# KiCad board Mainboard.kicad_pcb (continued)
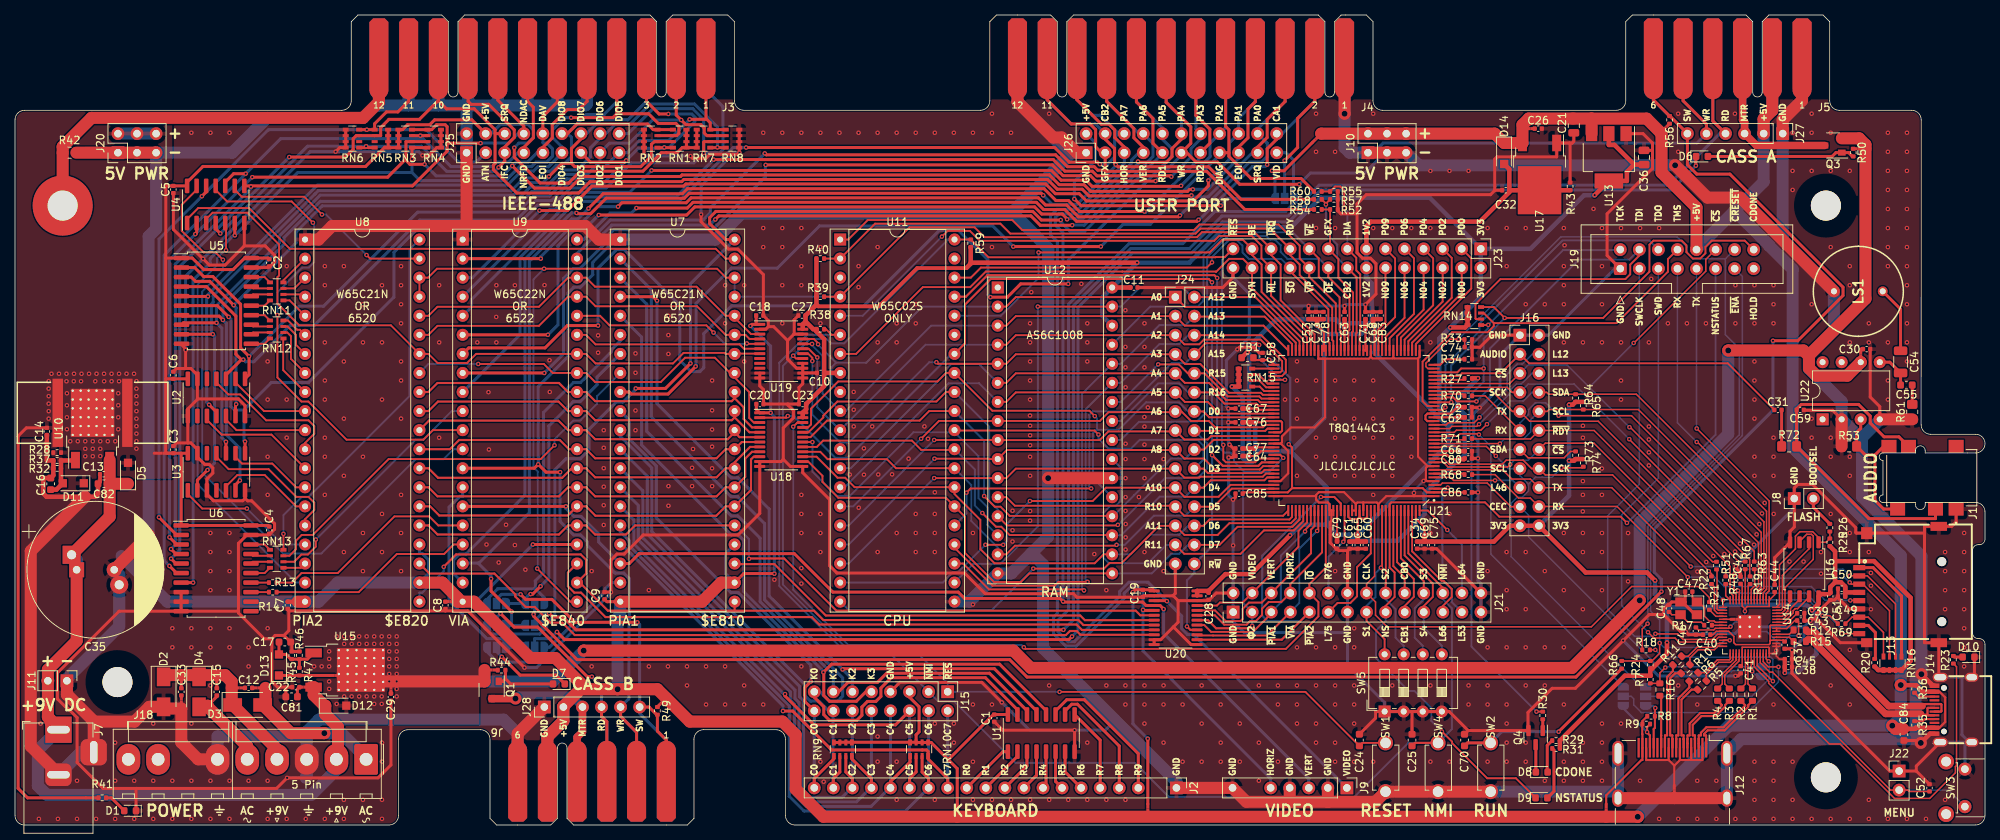
[diagram p0: board, top side]
## Library data of the parts
C1-C11 C13 C18-C20 C22 C23 C26-C28 C30 C34 C39-C46 C49 C51 C61 C63 C64 C66 C68 C71 C72 C74 C76-C80 C85 C86 = -: LCSC: C307331
C12 C15 C33 C59 = -: LCSC: C1532
C14 C29 C31 C32 C53 C60 C75 C83 = -: LCSC: C52923
C16 C17 C24 C25 C70 C81 C82 = -: LCSC: C96446
C21 C36 = -: LCSC: C45783
C35 = -: MOUSER: 232-35YXJ470M10X16; MPN: 35YXJ470M10X16
C37 C38 C52 = -: LCSC: C12530
C47 C48 = -: LCSC: C1570
C50 = -: LCSC: C15525
C54 = -: LCSC: C96123
C55 = -: LCSC: C1622
C58 = -: LCSC: C23733
C62 C65 C67 C69 C73 = -: LCSC: C15195
C84 = -: LCSC: C19666
D1 D6 D7 D9 = -: LCSC: C2286
D2-D4 = -: LCSC: C8678
D5 D11-D14 = -: LCSC: C64898
D8 D10 = -: LCSC: C72043
FB1 = -: LCSC: C1002
HS1 = -: DIGI-KEY: AE10775-ND; MPN: V-1100-SMD/B-L
J1 = -: Alt-LCSC: C319101; MOUSER: 490-SJ-43504-SMT-TR
J2 = -: MOUSER: 649-1012937893603BLF; MPN: 2-826646-0
J7 = -: MOUSER: 992-CON-SOCJ-2155; MPN: CON-SOCJ-2155
J8 J11 J22 J27 J28 = -: MOUSER: 649-1012937893602BLF
J9 = -: MOUSER: 649-1012937893603BLF
J10 J15 J16 J20 J24-J26 = -: MOUSER: 649-1012938195002BLF
J12 = -: LCSC: C138388
J13 = -: LCSC: C393941
J14 = -: LCSC: C165948
J18 = -: MOUSER: 571-6403849
J19 = -: MOUSER: 710-61201621621
J21 J23 = -: MOUSER: 649-1012938195002BLF; MPN: 929975-01-14
LS1 = -: MOUSER: 665-AT1220TT9R
Q1 Q3 = -: LCSC: C15127
Q4 = -: LCSC: C20526
R1-R6 R10 R11 R16 = -: LCSC: C22966
R7-R9 R64 R65 R73 R74 = -: LCSC: C25879
R12 R15 = -: LCSC: C25190
R13 R14 = -: LCSC: C25117
R17 R23 R26 R29 R31 R66 = -: LCSC: C11702
R18 R20 R25 R27 R49 R52 R55-R57 = -: LCSC: C25744
R19 R21 R22 R48 R51 R63 R67-R71 = -: LCSC: C25105
R24 = -: LCSC: C25756
R28 R47 = -: LCSC: C25102
R30 R33 = -: LCSC: C25741
R32 = -: LCSC: C25862
R34 = -: LCSC: C25752
R35 R36 = -: LCSC: C25796
R37 = -: LCSC: C51721
R38-R40 R59 = -: LCSC: C25900
R41 R44 R45 R50 = -: LCSC: C25867
R42 = -: LCSC: C17802
R43 = -: LCSC: C25079
R46 = -: LCSC: C25905
R53 = -: LCSC: C17673
R54 R58 R60 = -: LCSC: C25908
R61 = -: LCSC: C17415
R72 = -: LCSC: C17444
RN1 RN3 RN5 RN7 = -: LCSC: C1980
RN2 RN4 RN6 RN8-RN10 RN14-RN16 = -: LCSC: C29718
RN11-RN13 = -: LCSC: C25510
SW1 SW2 SW4 = -: Alt-LCSC: C457531; Amazon: https://smile.amazon.com/dp/B008DS188Y; MOUSER: 611-PTS636SK43LFS
SW3 = -: AliExpress: https://www.aliexpress.us/item/2251832705063661.html; MOUSER: 642-MJTP1117
SW5 = -: MOUSER: 490-DS04-254-1L-04BK
U1 = -: LCSC: C60829
U2-U4 = -: LCSC: C513513
U5 U6 = -: LCSC: C129580
U7 U8 = -: MOUSER: 955-W65C21N6TPG-14,571-1-2199299-5
U9 = -: MOUSER: 955-W65C22N6TPG-14,571-1-2199299-5
U10 U15 U17 = -: LCSC: C75510
U11 = -: MOUSER: 955-W65C02S6TPG-14,571-1-2199299-5
U12 = -: MOUSER: 913-AS6C1008-55PCN,649-DILB32P223TLF
U13 = -: LCSC: C6186
U14 = -: LCSC: C2040
U16 = -: LCSC: C97521
U18-U20 = -: LCSC: C7859
U21 = -: DIGI-KEY: 2134-T8Q144C3-ND; LCSC: C3278393
U22 = -: MOUSER: 926-LM386N-1/NOPB
Y1 = -: LCSC: C9002

## Footprints (pads in the part's own frame, mm; a bottom-side part is the same pattern mirrored in y, then rotated)
APEM_MJTP1117
  round 2.1 hole 1.3: (-1,-2.5) (6,-2.5)
  round 1.75 hole 1: 1(0,0) 2(5,0)
AT1220TT9R
  round 1.3 hole 0.8: 1(0,0) 2(0,-6.5)
BarrelJack_Horizontal
  rect 3.5x3.5 hole 1x3: 1(0,0)
  rrect 3x3.5 hole 1x3: 2(-6,0)
  rrect 3.5x3.5 hole 3x1: 3(-3,-4.7)
C_0402_1005Metric
  rrect 0.56x0.62 smd: 1(-0.48,0) 2(0.48,0)
C_0603_1608Metric
  rrect 0.9x0.95 smd: 1(-0.775,0) 2(0.775,0)
C_0805_2012Metric
  rrect 1x1.45 smd: 1(-0.95,0) 2(0.95,0)
C_1206_3216Metric
  rrect 1.15x1.8 smd: 1(-1.475,0) 2(1.475,0)
CBM_PET_CASS_EDGE_CON_12P
  custom 2.54x10.8 smd: 1,A(19.812,1.468) 2,B(15.85,1.468) 3,C(11.887,1.468) 4,D(7.925,1.468) 5,E(3.962,1.468) 6,F(0,1.468)
  custom 2.54x10.8 smd far side: 1,A(19.812,1.468) 2,B(15.85,1.468) 3,C(11.887,1.468) 4,D(7.925,1.468) 5,E(3.962,1.468) 6,F(0,1.468)
CBM_PET_IEEE_EDGE_CON_24P
  custom 2.54x10.8 smd: 1(43.586,1.468) 2(39.624,1.468) 3(35.662,1.468) 4(31.699,1.468) 5(27.737,1.468) 6(23.774,1.468) 7(19.812,1.468) 8(15.85,1.468) 9(11.887,1.468) 10(7.925,1.468) 11(3.962,1.468) 12(0,1.468)
  custom 2.54x10.8 smd far side: A(43.586,1.468) B(39.624,1.468) C(35.662,1.468) D(31.699,1.468) E(27.737,1.468) F(23.774,1.468) H(19.812,1.468) J(15.85,1.468) K(11.887,1.468) L(7.925,1.468) M(3.962,1.468) N(0,1.468)
CBM_PET_KEYBOARD_KEYED_20P
  rect 1.7x1.7 hole 1: 1(0,0)
  oval 1.7x1.7 hole 1: 3(0,-5.08) 4(0,-7.62) 5(0,-10.16) 6(0,-12.7) 7(0,-15.24) 8(0,-17.78) 9(0,-20.32) 10(0,-22.86) 11(0,-25.4) 12(0,-27.94) 13(0,-30.48) 14(0,-33.02) 15(0,-35.56) 16(0,-38.1) 17(0,-40.64) 18(0,-43.18) 19(0,-45.72) 20(0,-48.26)
CBM_PET_USER_EDGE_CON_24P
  custom 2.54x10.8 smd: 1(43.586,1.468) 2(39.624,1.468) 3(35.662,1.468) 4(31.699,1.468) 5(27.737,1.468) 6(23.774,1.468) 7(19.812,1.468) 8(15.85,1.468) 9(11.887,1.468) 10(7.925,1.468) 11(3.962,1.468) 12(0,1.468)
  custom 2.54x10.8 smd far side: A(43.586,1.468) B(39.624,1.468) C(35.662,1.468) D(31.699,1.468) E(27.737,1.468) F(23.774,1.468) H(19.812,1.468) J(15.85,1.468) K(11.887,1.468) L(7.925,1.468) M(3.962,1.468) N(0,1.468)
CP_Radial_D18.0mm_P5.00mm_P7.50mm
  rect 2.4x2.4 hole 1.2: 1(-0.672,2)
  rect 2x2 hole 1: 1(0,0)
  round 2 hole 1: 2(5,0)
  round 2.4 hole 1.2: 2(5.672,-2)
Crystal_SMD_3225-4Pin_3.2x2.5mm
  rect 1.4x1.2 smd: 1(-1.1,-0.85) 2(1.1,-0.85) 3(1.1,0.85) 4(-1.1,0.85)
CUI_SJ-43504-SMT-TR
  rect 1.75x2 smd: 1(0,0) 2(8.35,6.35) 3(0,2.75) 4(8.35,0) 5(8.35,8.95) 6(0,7.8)
D_SMA
  rect 2.5x1.8 smd: 1(-2,0) 2(2,0)
D_SOD-123F
  rect 1.1x1.1 smd: 1(-1.4,0) 2(1.4,0)
DIP-8_W7.62mm
  rect 1.6x1.6 hole 0.8: 1(0,0)
  oval 1.6x1.6 hole 0.8: 2(0,-2.54) 3(0,-5.08) 4(0,-7.62) 5(7.62,-7.62) 6(7.62,-5.08) 7(7.62,-2.54) 8(7.62,0)
DIP-32_W15.24mm_Socket
  rect 1.6x1.6 hole 0.8: 1(0,0)
  oval 1.6x1.6 hole 0.8: 2(0,-2.54) 3(0,-5.08) 4(0,-7.62) 5(0,-10.16) 6(0,-12.7) 7(0,-15.24) 8(0,-17.78) 9(0,-20.32) 10(0,-22.86) 11(0,-25.4) 12(0,-27.94) 13(0,-30.48) 14(0,-33.02) 15(0,-35.56) 16(0,-38.1) 17(15.24,-38.1) 18(15.24,-35.56) 19(15.24,-33.02) 20(15.24,-30.48) 21(15.24,-27.94) 22(15.24,-25.4) 23(15.24,-22.86) 24(15.24,-20.32) 25(15.24,-17.78) 26(15.24,-15.24) 27(15.24,-12.7) 28(15.24,-10.16) 29(15.24,-7.62) 30(15.24,-5.08) 31(15.24,-2.54) 32(15.24,0)
DIP-40_W15.24mm_Socket
  rect 1.6x1.6 hole 0.8: 1(0,0)
  oval 1.6x1.6 hole 0.8: 2(0,-2.54) 3(0,-5.08) 4(0,-7.62) 5(0,-10.16) 6(0,-12.7) 7(0,-15.24) 8(0,-17.78) 9(0,-20.32) 10(0,-22.86) 11(0,-25.4) 12(0,-27.94) 13(0,-30.48) 14(0,-33.02) 15(0,-35.56) 16(0,-38.1) 17(0,-40.64) 18(0,-43.18) 19(0,-45.72) 20(0,-48.26) 21(15.24,-48.26) 22(15.24,-45.72) 23(15.24,-43.18) 24(15.24,-40.64) 25(15.24,-38.1) 26(15.24,-35.56) 27(15.24,-33.02) 28(15.24,-30.48) 29(15.24,-27.94) 30(15.24,-25.4) 31(15.24,-22.86) 32(15.24,-20.32) 33(15.24,-17.78) 34(15.24,-15.24) 35(15.24,-12.7) 36(15.24,-10.16) 37(15.24,-7.62) 38(15.24,-5.08) 39(15.24,-2.54) 40(15.24,0)
HDMI_A_Molex_208658-1001_Horizontal
  rect 2.6x0.3 smd: 1(-3.285,4.5) 2(-3.285,4) 3(-3.285,3.5) 4(-3.285,3) 5(-3.285,2.5) 6(-3.285,2) 7(-3.285,1.5) 8(-3.285,1) 9(-3.285,0.5) 10(-3.285,0) 11(-3.285,-0.5) 12(-3.285,-1) 13(-3.285,-1.5) 14(-3.285,-2) 15(-3.285,-2.5) 16(-3.285,-3) 17(-3.285,-3.5) 18(-3.285,-4) 19(-3.285,-4.5)
  oval 3.3x1.5 hole 2.7x0.9: SH(-2.525,7.25) SH(-2.525,-7.25)
  oval 2.3x1.5 hole 1.7x0.9: SH(3.435,7.25) SH(3.435,-7.25)
IDC-Header_2x08_P2.54mm_Vertical
  rrect 1.7x1.7 hole 1: 1(0,0)
  round 1.7 hole 1: 2(2.54,0) 3(0,-2.54) 4(2.54,-2.54) 5(0,-5.08) 6(2.54,-5.08) 7(0,-7.62) 8(2.54,-7.62) 9(0,-10.16) 10(2.54,-10.16) 11(0,-12.7) 12(2.54,-12.7) 13(0,-15.24) 14(2.54,-15.24) 15(0,-17.78) 16(2.54,-17.78)
L_0603_1608Metric
  rrect 0.875x0.95 smd: 1(-0.787,0) 2(0.787,0)
LED_0603_1608Metric
  rrect 0.875x0.95 smd: 1(-0.787,0) 2(0.787,0)
LQFN-56_L7.0-W7.0-P0.4-EP
  rrect 1.084x1.084 smd: (-0.637,0.638) (-0.637,-0.637) (0.637,0.638) (0.637,-0.637)
  rect 1.1x0.2 smd: 1(-3.55,2.6) 2(-3.55,2.2) 3(-3.55,1.8) 4(-3.55,1.4) 5(-3.55,1) 6(-3.55,0.6) 7(-3.55,0.2) 8(-3.55,-0.2) 9(-3.55,-0.6) 10(-3.55,-1) 11(-3.55,-1.4) 12(-3.55,-1.8) 13(-3.55,-2.2) 14(-3.55,-2.6) 29(3.55,-2.6) 30(3.55,-2.2) 31(3.55,-1.8) 32(3.55,-1.4) 33(3.55,-1) 34(3.55,-0.6) 35(3.55,-0.2) 36(3.55,0.2) 37(3.55,0.6) 38(3.55,1) 39(3.55,1.4) 40(3.55,1.8) 41(3.55,2.2) 42(3.55,2.6)
  rect 0.2x1.1 smd: 15(-2.6,-3.55) 16(-2.2,-3.55) 17(-1.8,-3.55) 18(-1.4,-3.55) 19(-1,-3.55) 20(-0.6,-3.55) 21(-0.2,-3.55) 22(0.2,-3.55) 23(0.6,-3.55) 24(1,-3.55) 25(1.4,-3.55) 26(1.8,-3.55) 27(2.2,-3.55) 28(2.6,-3.55) 43(2.6,3.55) 44(2.2,3.55) 45(1.8,3.55) 46(1.4,3.55) 47(1,3.55) 48(0.6,3.55) 49(0.2,3.55) 50(-0.2,3.55) 51(-0.6,3.55) 52(-1,3.55) 53(-1.4,3.55) 54(-1.8,3.55) 55(-2.2,3.55) 56(-2.6,3.55)
  round 0.5 hole 0.3: 57(-1.275,1.275) 57(-1.275,0) 57(-1.275,-1.275) 57(0,1.275) 57(0,0) 57(0,-1.275) 57(1.275,1.275) 57(1.275,0) 57(1.275,-1.275)
  rect 3.1x3.1 smd: 57(0,0)
MountingHole_4mm_Pad
  round 8 hole 4: 1(0,0)
NetTie-2_SMD_Pad_0.28
  round 0.6 hole 0.3: 1(0,0)
  custom 0.44x0.28 smd: 2(0.95,0)
NetTie-2_SMD_Pad_1.6_to_0.4mm
  custom 1.25x0.4 smd: 1(0,0)
  custom 0.8x0.4 smd: 2(1.7,0)
PET_MountingHole_4mm
  round 4 hole 4 unplated: (0,0)
PET_POWER_Molex_KK-396_A-41791-0009_1x09_P3.96mm_Vertical
  rrect 3.16x4.1 hole 1.7: 1(0,0)
  oval 3.16x4.1 hole 1.7: 2(3.96,0) 3(7.92,0) 4(11.88,0) 5(15.84,0) 6(19.8,0) 8(27.72,0) 9(31.68,0)
PET_Video
  rect 1.7x1.7 hole 1: 1(0,0)
  oval 1.7x1.7 hole 1: 2(0,-2.54) 3(0,-5.08) 4(0,-7.62) 5(0,-10.16) 7(0,-15.24)
PinHeader_1x02_P2.54mm_Vertical
  rect 1.7x1.7 hole 1: 1(0,0)
  oval 1.7x1.7 hole 1: 2(0,-2.54)
PinHeader_1x06_P2.54mm_Vertical
  rect 1.7x1.7 hole 1: 1(0,0)
  oval 1.7x1.7 hole 1: 2(0,-2.54) 3(0,-5.08) 4(0,-7.62) 5(0,-10.16) 6(0,-12.7)
PinHeader_2x03_P2.54mm_Vertical
  rect 1.7x1.7 hole 1: 1(0,0)
  oval 1.7x1.7 hole 1: 2(2.54,0) 3(0,-2.54) 4(2.54,-2.54) 5(0,-5.08) 6(2.54,-5.08)
PinHeader_2x08_P2.54mm_Vertical
  rect 1.7x1.7 hole 1: 1(0,0)
  oval 1.7x1.7 hole 1: 2(2.54,0) 3(0,-2.54) 4(2.54,-2.54) 5(0,-5.08) 6(2.54,-5.08) 7(0,-7.62) 8(2.54,-7.62) 9(0,-10.16) 10(2.54,-10.16) 11(0,-12.7) 12(2.54,-12.7) 13(0,-15.24) 14(2.54,-15.24) 15(0,-17.78) 16(2.54,-17.78)
PinHeader_2x09_P2.54mm_Vertical
  rect 1.7x1.7 hole 1: 1(0,0)
  oval 1.7x1.7 hole 1: 2(2.54,0) 3(0,-2.54) 4(2.54,-2.54) 5(0,-5.08) 6(2.54,-5.08) 7(0,-7.62) 8(2.54,-7.62) 9(0,-10.16) 10(2.54,-10.16) 11(0,-12.7) 12(2.54,-12.7) 13(0,-15.24) 14(2.54,-15.24) 15(0,-17.78) 16(2.54,-17.78) 17(0,-20.32) 18(2.54,-20.32)
PinHeader_2x11_P2.54mm_Vertical
  rect 1.7x1.7 hole 1: 1(0,0)
  oval 1.7x1.7 hole 1: 2(2.54,0) 3(0,-2.54) 4(2.54,-2.54) 5(0,-5.08) 6(2.54,-5.08) 7(0,-7.62) 8(2.54,-7.62) 9(0,-10.16) 10(2.54,-10.16) 11(0,-12.7) 12(2.54,-12.7) 13(0,-15.24) 14(2.54,-15.24) 15(0,-17.78) 16(2.54,-17.78) 17(0,-20.32) 18(2.54,-20.32) 19(0,-22.86) 20(2.54,-22.86) 21(0,-25.4) 22(2.54,-25.4)
PinHeader_2x14_P2.54mm_Vertical
  rect 1.7x1.7 hole 1: 1(0,0)
  oval 1.7x1.7 hole 1: 2(2.54,0) 3(0,-2.54) 4(2.54,-2.54) 5(0,-5.08) 6(2.54,-5.08) 7(0,-7.62) 8(2.54,-7.62) 9(0,-10.16) 10(2.54,-10.16) 11(0,-12.7) 12(2.54,-12.7) 13(0,-15.24) 14(2.54,-15.24) 15(0,-17.78) 16(2.54,-17.78) 17(0,-20.32) 18(2.54,-20.32) 19(0,-22.86) 20(2.54,-22.86) 21(0,-25.4) 22(2.54,-25.4) 23(0,-27.94) 24(2.54,-27.94) 25(0,-30.48) 26(2.54,-30.48) 27(0,-33.02) 28(2.54,-33.02)
PinHeader_2x15_P2.54mm_Vertical
  rect 1.7x1.7 hole 1: 1(0,0)
  oval 1.7x1.7 hole 1: 2(2.54,0) 3(0,-2.54) 4(2.54,-2.54) 5(0,-5.08) 6(2.54,-5.08) 7(0,-7.62) 8(2.54,-7.62) 9(0,-10.16) 10(2.54,-10.16) 11(0,-12.7) 12(2.54,-12.7) 13(0,-15.24) 14(2.54,-15.24) 15(0,-17.78) 16(2.54,-17.78) 17(0,-20.32) 18(2.54,-20.32) 19(0,-22.86) 20(2.54,-22.86) 21(0,-25.4) 22(2.54,-25.4) 23(0,-27.94) 24(2.54,-27.94) 25(0,-30.48) 26(2.54,-30.48) 27(0,-33.02) 28(2.54,-33.02) 29(0,-35.56) 30(2.54,-35.56)
QFP50P2200X2200X160-144N
  rrect 1.47x0.28 smd: 1(-10.67,8.75) 2(-10.67,8.25) 3(-10.67,7.75) 4(-10.67,7.25) 5(-10.67,6.75) 6(-10.67,6.25) 7(-10.67,5.75) 8(-10.67,5.25) 9(-10.67,4.75) 10(-10.67,4.25) 11(-10.67,3.75) 12(-10.67,3.25) 13(-10.67,2.75) 14(-10.67,2.25) 15(-10.67,1.75) 16(-10.67,1.25) 17(-10.67,0.75) 18(-10.67,0.25) 19(-10.67,-0.25) 20(-10.67,-0.75) 21(-10.67,-1.25) 22(-10.67,-1.75) 23(-10.67,-2.25) 24(-10.67,-2.75) 25(-10.67,-3.25) 26(-10.67,-3.75) 27(-10.67,-4.25) 28(-10.67,-4.75) 29(-10.67,-5.25) 30(-10.67,-5.75) 31(-10.67,-6.25) 32(-10.67,-6.75) 33(-10.67,-7.25) 34(-10.67,-7.75) 35(-10.67,-8.25) 36(-10.67,-8.75) 73(10.67,-8.75) 74(10.67,-8.25) 75(10.67,-7.75) 76(10.67,-7.25) 77(10.67,-6.75) 78(10.67,-6.25) 79(10.67,-5.75) 80(10.67,-5.25) 81(10.67,-4.75) 82(10.67,-4.25) 83(10.67,-3.75) 84(10.67,-3.25) 85(10.67,-2.75) 86(10.67,-2.25) 87(10.67,-1.75) 88(10.67,-1.25) 89(10.67,-0.75) 90(10.67,-0.25) 91(10.67,0.25) 92(10.67,0.75) 93(10.67,1.25) 94(10.67,1.75) 95(10.67,2.25) 96(10.67,2.75) 97(10.67,3.25) 98(10.67,3.75) 99(10.67,4.25) 100(10.67,4.75) 101(10.67,5.25) 102(10.67,5.75) 103(10.67,6.25) 104(10.67,6.75) 105(10.67,7.25) 106(10.67,7.75) 107(10.67,8.25) 108(10.67,8.75)
  rrect 0.28x1.47 smd: 37(-8.75,-10.67) 38(-8.25,-10.67) 39(-7.75,-10.67) 40(-7.25,-10.67) 41(-6.75,-10.67) 42(-6.25,-10.67) 43(-5.75,-10.67) 44(-5.25,-10.67) 45(-4.75,-10.67) 46(-4.25,-10.67) 47(-3.75,-10.67) 48(-3.25,-10.67) 49(-2.75,-10.67) 50(-2.25,-10.67) 51(-1.75,-10.67) 52(-1.25,-10.67) 53(-0.75,-10.67) 54(-0.25,-10.67) 55(0.25,-10.67) 56(0.75,-10.67) 57(1.25,-10.67) 58(1.75,-10.67) 59(2.25,-10.67) 60(2.75,-10.67) 61(3.25,-10.67) 62(3.75,-10.67) 63(4.25,-10.67) 64(4.75,-10.67) 65(5.25,-10.67) 66(5.75,-10.67) 67(6.25,-10.67) 68(6.75,-10.67) 69(7.25,-10.67) 70(7.75,-10.67) 71(8.25,-10.67) 72(8.75,-10.67) 109(8.75,10.67) 110(8.25,10.67) 111(7.75,10.67) 112(7.25,10.67) 113(6.75,10.67) 114(6.25,10.67) 115(5.75,10.67) 116(5.25,10.67) 117(4.75,10.67) 118(4.25,10.67) 119(3.75,10.67) 120(3.25,10.67) 121(2.75,10.67) 122(2.25,10.67) 123(1.75,10.67) 124(1.25,10.67) 125(0.75,10.67) 126(0.25,10.67) 127(-0.25,10.67) 128(-0.75,10.67) 129(-1.25,10.67) 130(-1.75,10.67) 131(-2.25,10.67) 132(-2.75,10.67) 133(-3.25,10.67) 134(-3.75,10.67) 135(-4.25,10.67) 136(-4.75,10.67) 137(-5.25,10.67) 138(-5.75,10.67) 139(-6.25,10.67) 140(-6.75,10.67) 141(-7.25,10.67) 142(-7.75,10.67) 143(-8.25,10.67) 144(-8.75,10.67)
R_0402_1005Metric
  rrect 0.54x0.64 smd: 1(-0.51,0) 2(0.51,0)
R_0603_1608Metric
  rrect 0.8x0.95 smd: 1(-0.825,0) 2(0.825,0)
R_0805_2012Metric
  rrect 1.025x1.4 smd: 1(-0.912,0) 2(0.912,0)
R_0805_2012Metric_Pad1.20x1.40mm_HandSolder
  rrect 1.2x1.4 smd: 1(-1,0) 2(1,0)
R_Array_Convex_4x0603
  rect 0.8x0.5 smd: 1(-0.9,1.2) 4(-0.9,-1.2) 5(0.9,-1.2) 8(0.9,1.2)
  rect 0.8x0.4 smd: 2(-0.9,0.4) 3(-0.9,-0.4) 6(0.9,-0.4) 7(0.9,0.4)
SOIC-8_5.23x5.23mm_P1.27mm
  rrect 1.6x0.6 smd: 1(-3.6,1.905) 2(-3.6,0.635) 3(-3.6,-0.635) 4(-3.6,-1.905) 5(3.6,-1.905) 6(3.6,-0.635) 7(3.6,0.635) 8(3.6,1.905)
SOIC-14_3.9x8.7mm_P1.27mm
  rrect 1.95x0.6 smd: 1(-2.475,3.81) 2(-2.475,2.54) 3(-2.475,1.27) 4(-2.475,0) 5(-2.475,-1.27) 6(-2.475,-2.54) 7(-2.475,-3.81) 8(2.475,-3.81) 9(2.475,-2.54) 10(2.475,-1.27) 11(2.475,0) 12(2.475,1.27) 13(2.475,2.54) 14(2.475,3.81)
SOIC-16_3.9x9.9mm_P1.27mm
  rrect 1.95x0.6 smd: 1(-2.475,4.445) 2(-2.475,3.175) 3(-2.475,1.905) 4(-2.475,0.635) 5(-2.475,-0.635) 6(-2.475,-1.905) 7(-2.475,-3.175) 8(-2.475,-4.445) 9(2.475,-4.445) 10(2.475,-3.175) 11(2.475,-1.905) 12(2.475,-0.635) 13(2.475,0.635) 14(2.475,1.905) 15(2.475,3.175) 16(2.475,4.445)
SOIC-20W_7.5x12.8mm_P1.27mm
  rrect 2.05x0.6 smd: 1(-4.65,5.715) 2(-4.65,4.445) 3(-4.65,3.175) 4(-4.65,1.905) 5(-4.65,0.635) 6(-4.65,-0.635) 7(-4.65,-1.905) 8(-4.65,-3.175) 9(-4.65,-4.445) 10(-4.65,-5.715) 11(4.65,-5.715) 12(4.65,-4.445) 13(4.65,-3.175) 14(4.65,-1.905) 15(4.65,-0.635) 16(4.65,0.635) 17(4.65,1.905) 18(4.65,3.175) 19(4.65,4.445) 20(4.65,5.715)
SolderJumper-2_P1.3mm_Open_RoundedPad1.0x1.5mm
  custom 1x1.5 smd: 1(-0.65,0) 2(0.65,0)
SolderJumper-3_P1.3mm_Open_RoundedPad1.0x1.5mm
  custom 1.05x1.5 smd: 1(-1.3,0) 3(1.3,0)
  rect 1x1.5 smd: 2(0,0)
SOT-23
  rrect 1.475x0.6 smd: 1(-0.938,0.95) 2(-0.938,-0.95) 3(0.938,0)
SOT-23_L2.9-W1.3-P1.90-LS2.4-BR
  rect 1x0.8 smd: 1(1.15,-0.95) 2(1.15,0.95) 3(-1.15,0)
SOT-223-3_TabPin2
  rect 2x1.5 smd: 1(-3.15,2.3) 2(-3.15,0) 3(-3.15,-2.3)
  rect 2x3.8 smd: 2(3.15,0)
SW-TH_L6.0-W3.5-P6.50
  round 2 hole 1.4: 1(-3.25,0.028) 2(3.25,0.028)
SW_DIP_SPSTx04_Slide_6.7x11.72mm_W7.62mm_P2.54mm_LowProfile
  rect 1.6x1.6 hole 0.8: 1(0,0)
  oval 1.6x1.6 hole 0.8: 2(0,-2.54) 3(0,-5.08) 4(0,-7.62) 5(7.62,-7.62) 6(7.62,-5.08) 7(7.62,-2.54) 8(7.62,0)
TF-SMD_TF-PUSH
  round 1.2 hole 1.2 unplated: (-5.075,-3.5) (2.925,-3.5)
  rect 0.7x1.6 smd: 1(2.125,7.5) 2(1.025,7.5) 3(-0.075,7.5) 4(-1.175,7.5) 5(-2.275,7.5) 6(-3.375,7.5) 7(-4.475,7.5) 8(-5.575,7.5) 9(-6.675,7.5)
  rect 1.2x1.5 smd: 10(-7.875,6.5)
  rect 1.2x2.2 smd: 11(-7.875,-3.1) 12(7.625,-3.1)
  rect 1.6x1.5 smd: 13(6.725,6.5)
TO-252-2
  rect 3.05x2.75 smd: (0.425,1.525) (0.425,-1.525) (3.775,1.525) (3.775,-1.525)
  rect 2.2x1.2 smd: 1(-4.2,2.28) 3(-4.2,-2.28)
  rect 6.4x5.8 smd: 2(2.1,0)
TO-252-2_ThermalVias
  rrect 0.955x0.855 smd: (-0.26,2.12) (-0.26,1.06) (-0.26,0) (-0.26,-1.06) (-0.26,-2.12) (0.92,2.12) (0.92,1.06) (0.92,0) (0.92,-1.06) (0.92,-2.12) (2.1,2.12) (2.1,1.06) (2.1,0) (2.1,-1.06) (2.1,-2.12) (3.28,2.12) (3.28,1.06) (3.28,0) (3.28,-1.06) (3.28,-2.12) (4.46,2.12) (4.46,1.06) (4.46,0) (4.46,-1.06) (4.46,-2.12)
  rect 2.2x1.2 smd: 1(-4.2,2.28) 3(-4.2,-2.28)
  round 0.5 hole 0.3: 2(-0.85,2.65) 2(-0.85,1.59) 2(-0.85,0.53) 2(-0.85,-0.53) 2(-0.85,-1.59) 2(-0.85,-2.65) 2(0.33,2.65) 2(0.33,1.59) 2(0.33,0.53) 2(0.33,-0.53) 2(0.33,-1.59) 2(0.33,-2.65) 2(1.51,2.65) 2(1.51,1.59) 2(1.51,0.53) 2(1.51,-0.53) 2(1.51,-1.59) 2(1.51,-2.65) 2(2.69,2.65) 2(2.69,1.59) 2(2.69,0.53) 2(2.69,-0.53) 2(2.69,-1.59) 2(2.69,-2.65) 2(3.87,2.65) 2(3.87,1.59) 2(3.87,0.53) 2(3.87,-0.53) 2(3.87,-1.59) 2(3.87,-2.65) 2(5.05,2.65) 2(5.05,1.59) 2(5.05,0.53) 2(5.05,-0.53) 2(5.05,-1.59) 2(5.05,-2.65)
  rect 6.4x5.8 smd: 2(2.1,0)
TSSOP-24_4.4x7.8mm_P0.65mm
  rrect 1.475x0.4 smd: 1(-2.862,3.575) 2(-2.862,2.925) 3(-2.862,2.275) 4(-2.862,1.625) 5(-2.862,0.975) 6(-2.862,0.325) 7(-2.862,-0.325) 8(-2.862,-0.975) 9(-2.862,-1.625) 10(-2.862,-2.275) 11(-2.862,-2.925) 12(-2.862,-3.575) 13(2.862,-3.575) 14(2.862,-2.925) 15(2.862,-2.275) 16(2.862,-1.625) 17(2.862,-0.975) 18(2.862,-0.325) 19(2.862,0.325) 20(2.862,0.975) 21(2.862,1.625) 22(2.862,2.275) 23(2.862,2.925) 24(2.862,3.575)
USB-C_SMD-TYPE-C-31-M-12
  round 0.75 hole 0.75 unplated: (-2.901,2.516) (2.899,2.516)
  rect 0.6x1.3 smd: A1_B12(-3.201,3.784) A4_B9(-2.401,3.784) A9_B4(2.399,3.784) A12_B1(3.199,3.784)
  rect 0.3x1.3 smd: A5(-1.251,3.784) A6(-0.251,3.784) A7(0.249,3.784) A8(1.249,3.784) B5(1.749,3.784) B6(0.749,3.784) B7(-0.751,3.784) B8(-1.751,3.784)
  oval 1.2x2 hole 0.8x1.6: S1(-4.326,3.016) S1(4.324,3.016)
  oval 1.2x1.8 hole 0.8x1.4: S1(-4.326,-1.184) S1(4.324,-1.184)
V1100SMDBL
  rect 1.4x9.1 smd: 1(-4.64,0) 1(4.64,0)

## Nets
+1V2: C32.1 C60.1 C61.1 C62.1 C63.1 C64.1 C65.1 C66.1 C67.1 C68.1 C83.1 D14.2 FB1.2 J23.13 J23.14 PT41.1 PT42.1 PT43.1 PT44.1 PT45.1 PT46.1 PT47.1 R43.1 U17.2
+3V3: C10.1 C11.1 C23.1 C27.1 C28.1 C34.1 C36.1 C49.1 C50.1 C51.1 C53.1 C69.1 C71.1 C72.1 C73.1 C75.1 C76.1 C77.1 C78.1 C79.1 C80.1 J13.4 J16.21 J16.22 J23.1 J23.2 PT1.1 PT40.1 PT48.1 PT49.1 PT50.1 PT51.1 PT52.1 PT53.1 PT54.1 R7.1 R20.1 R24.1 R25.1 R27.2 R29.2 R31.2 R38.1 R39.1 R40.2 R59.1 R64.1 R65.1 R73.1 R74.1 RN14.5 RN14.6 RN14.7 RN14.8 RN15.5 RN15.6 RN15.7 RN15.8 RN16.5 RN16.6 RN16.7 RN16.8 U11.8 U12.30 U12.32 U13.2 U16.8 U18.23 U18.24 U19.23 U19.24 U20.23 U20.24
+5V: C2.1 C3.1 C4.1 C5.1 C6.1 C7.1 C14.1 C21.1 C84.1 D5.2 D11.1 D14.1 HS1.1 J5.2,B J6.2,B J10.2 J10.4 J10.6 J14.A4_B9 J14.A9_B4 J19.10 J20.2 J20.4 J20.6 J25.4 J27.2 J28.2 PT4.1 PT5.1 PT5.2 PT6.1 PT7.1 PT8.1 PT12.1 PT13.1 PT14.1 PT15.1 PT16.1 PT17.1 PT18.1 PT19.1 PT19.2 PT20.1 PT20.2 PT26.1 PT55.1 PT56.1 R28.1 R35.1 R36.1 RN1.5 RN1.6 RN1.7 RN1.8 RN3.5 RN3.6 RN3.7 RN3.8 RN5.5 RN5.6 RN5.7 RN5.8 RN7.5 RN7.6 RN7.7 RN7.8 U2.14 U3.14 U4.14 U5.1 U5.20 U6.1 U6.20 U7.20 U7.22 U8.20 U8.22 U9.20 U10.2 U13.3 U17.3
+6V: D12.2 PT21.1 PT22.1 PT23.1 PT25.1 PT35.1 Q1.2 Q3.2 U15.2 U22.6
+9V_Unreg: C13.1 C35.1 C82.1 D5.1 D12.1 J7.1 J11.2 J18.2 PT24.1 U10.3 U15.3
/Keyboard/VCC: C1.1 J15.5 PT17.2 RN9.5 RN9.6 RN9.7 RN9.8 RN10.5 RN10.6 RN10.7 RN10.8 U1.16
/MAGIC/FPGA/VCC_13: PT41.2 U21.13
/MAGIC/FPGA/VCC_22: PT42.2 U21.22
/MAGIC/FPGA/VCC_49: PT43.2 U21.49
/MAGIC/FPGA/VCC_57: PT44.2 U21.57
/MAGIC/FPGA/VCC_85: PT45.2 U21.85
/MAGIC/FPGA/VCC_96: PT46.2 U21.96
/MAGIC/FPGA/VCC_125: PT47.2 U21.125 U21.128 U21.130
/MAGIC/FPGA/VCCIO_12: PT40.2 U21.12
/MAGIC/FPGA/VCCIO_23: PT48.2 U21.21 U21.23
/MAGIC/FPGA/VCCIO_52: PT49.2 U21.51 U21.52
/MAGIC/FPGA/VCCIO_62: PT50.2 U21.62 U21.63
/MAGIC/FPGA/VCCIO_88: PT51.2 U21.88 U21.91
/MAGIC/FPGA/VCCIO_95: PT52.2 U21.95
/MAGIC/FPGA/VCCIO_122: PT53.2 U21.122
/MAGIC/FPGA/VCCIO_143: PT54.2 U21.143
/MAGIC/MCU/DVDD: C37.1 C39.1 C40.1 U14.23 U14.45 U14.50
/MAGIC/MCU/DVI/VCC: J12.18 PT18.2 R8.1 R9.1
/POWER/9V_UNFILT: D2.1 D3.1 D4.1 J18.4 PT30.1 PT31.1 PT32.1
/USER/VCC: J26.2 JP10.3 PT26.2
GND: C1.2 C2.2 C3.2 C4.2 C5.2 C6.2 C7.2 C8.2 C9.2 C10.2 C11.2 C13.2 C14.2 C16.2 C17.2 C18.2 C19.2 C20.2 C21.2 C22.2 C23.2 C24.2 C25.2 C26.2 C27.2 C28.2 C29.2 C30.2 C32.2 C34.2 C35.2 C36.2 C37.2 C38.2 C39.2 C40.2 C41.2 C42.2 C43.2 C44.2 C45.2 C46.2 C47.1 C48.1 C49.2 C50.2 C51.2 C52.2 C53.2 C58.2 C59.2 C60.2 C61.2 C62.2 C63.2 C64.2 C65.2 C66.2 C67.2 C68.2 C69.2 C70.2 C71.2 C72.2 C73.2 C74.2 C75.2 C76.2 C77.2 C78.2 C79.2 C80.2 C81.2 C82.2 C83.2 C84.2 C85.2 C86.2 D1.1 D2.2 D10.1 J1.1 J2.1 J3.E J3.F J3.H J3.J J3.K J3.L J3.M J3.N J4.1 J4.12 J4.A J4.N J5.1,A J6.1,A J7.2 J7.3 J8.1 J9.2 J9.4 J9.7 J10.1 J10.3 J10.5 J11.1 J12.2 J12.5 J12.8 J12.11 J12.17 J12.SH J13.6 J13.10 J13.11 J13.12 J13.13 J14.A1_B12 J14.A12_B1 J14.S1 J15.7 J16.1 J16.2 J18.3 J18.6 J19.1 J20.1 J20.3 J20.5 J21.1 J21.2 J21.13 J21.14 J21.27 J21.28 J22.1 J23.28 J24.29 J25.1 J25.2 J26.1 J27.1 J28.1 LS1.2 PT2.1 PT9.1 PT9.2 PT10.1 PT10.2 PT11.1 PT11.2 PT27.1 PT33.1 PT33.2 PT36.1 PT36.2 PT37.1 PT37.2 PT38.1 PT38.2 PT39.1 PT39.2 Q4.2 R32.2 R33.2 R34.1 R37.2 R42.2 R43.2 R45.2 R46.2 R52.2 R53.2 R55.2 R57.2 R61.2 RN2.1 RN2.2 RN2.3 RN2.4 RN4.1 RN4.2 RN4.3 RN4.4 RN6.1 RN6.2 RN6.3 RN6.4 RN8.1 RN8.2 RN8.3 RN8.4 SW1.1 SW2.1 SW3.1 SW4.1 SW5.1 SW5.2 SW5.3 SW5.4 U1.8 U2.1 U2.7 U2.13 U3.3 U3.7 U3.13 U4.7 U5.10 U5.19 U6.8 U6.9 U6.10 U6.19 U7.1 U8.1 U9.1 U11.21 U12.16 U12.22 U13.1 U14.57 U16.4 U17.1 U18.11 U18.12 U18.13 U19.2 U19.11 U19.12 U19.13 U19.14 U19.15 U19.16 U19.22 U20.2 U20.11 U20.12 U20.13 U20.22 U21.1 U21.5 U21.9 U21.37 U21.44 U21.50 U21.64 U21.94 U21.104 U21.108 U21.120 U21.121 U21.126 U21.127 U21.129 U21.133 U22.2 U22.4 Y1.2 Y1.4
/CASS/CASS1_READ: J4.8 J26.9 JP3.1 JP4.3 U7.40
/CASS/CASS2_READ: J4.6 J26.13 JP3.3 JP4.1 U9.18
/CASS/CASS_A_MOTOR: J5.3,C J27.3 Q3.3
/CASS/CASS_A_READ: J5.4,D J27.4 JP3.2
/CASS/CASS_A_~{SWITCH}: J5.6,F J27.6 JP1.2 R56.2
/CASS/CASS_B_MOTOR: J6.3,C J28.3 Q1.3
/CASS/CASS_B_READ: J6.4,D J28.4 JP4.2
/CASS/CASS_B_~{SWITCH}: J6.6,F J28.6 JP2.2 R49.2
/CASS/CASS_WRITE: J4.7 J5.5,E J6.5,E J26.11 J27.5 J28.5 U9.13
/CASS/~{CASS1_MOTOR}: JP5.1 JP6.3 U7.19
/CASS/~{CASS1_SWITCH}: JP1.1 JP2.3 U7.6
/CASS/~{CASS2_MOTOR}: JP5.3 JP6.1 U9.14
/CASS/~{CASS2_SWITCH}: JP1.3 JP2.1 U7.7
/CPU \ RAM/A0: J24.1 U11.9 U12.2 U19.21 U21.70
/CPU \ RAM/A1: J24.3 U11.10 U12.3 U19.20 U21.72
/CPU \ RAM/A2: J24.5 U11.11 U12.4 U19.19 U21.75
/CPU \ RAM/A3: J24.7 U11.12 U12.5 U19.18 U21.81
/CPU \ RAM/A4: J24.9 U11.13 U12.6 U21.83
/CPU \ RAM/A5: J24.11 U11.14 U12.7 U21.86
/CPU \ RAM/A6: J24.13 U11.15 U12.8 U21.89
/CPU \ RAM/A7: J24.15 U11.16 U12.9 U21.92
/CPU \ RAM/A8: J24.17 U11.17 U12.10 U21.100
/CPU \ RAM/A9: J24.19 U11.18 U12.11 U21.102
/CPU \ RAM/A10: J24.21 U11.19 U21.105
/CPU \ RAM/A11: J24.25 U11.20 U21.111
/CPU \ RAM/A12: J24.2 U11.22 U12.31 U21.69
/CPU \ RAM/A13: J24.4 U11.23 U12.28 U21.71
/CPU \ RAM/A14: J24.6 U11.24 U12.27 U21.76
/CPU \ RAM/A15: J24.8 U11.25 U21.77
/CPU \ RAM/D0: J24.14 U11.33 U12.21 U18.21 U21.87
/CPU \ RAM/D1: J24.16 U11.32 U12.13 U18.20 U21.90
/CPU \ RAM/D2: J24.18 U11.31 U12.20 U18.19 U21.93
/CPU \ RAM/D3: J24.20 U11.30 U12.14 U18.18 U21.101
/CPU \ RAM/D4: J24.22 U11.29 U12.19 U18.17 U21.103
/CPU \ RAM/D5: J24.24 U11.28 U12.15 U18.16 U21.106
/CPU \ RAM/D6: J24.26 U11.27 U12.18 U18.15 U21.110
/CPU \ RAM/D7: J24.28 U11.26 U12.17 U18.14 U21.112
/CPU \ RAM/RAM_A10: J24.23 U12.12 U21.109
/CPU \ RAM/RAM_A11: J24.27 U12.23 U21.113
/CPU \ RAM/RAM_A15: J24.10 U12.26 U21.82
/CPU \ RAM/RAM_A16: J24.12 U12.25 U21.84
/CPU \ RAM/~{NMI}: C25.1 J15.3 J21.24 R38.2 SW4.2 U11.6 U21.141
/CPU \ RAM/~{RES}: C24.1 J15.1 J23.27 R59.2 SW1.2 U11.40 U19.17 U21.98
/IEEE/ATN: J3.11 J25.3 RN5.1 RN6.8 U4.12 U6.2
/IEEE/ATN_IN: RN13.8 U8.40
/IEEE/ATN_OUT: U4.13 U9.12
/IEEE/DAV: J3.6 J25.10 RN3.1 RN4.8 U4.6 U6.7
/IEEE/DAV_IN: R14.2 U9.17
/IEEE/DAV_OUT: U4.5 U8.19
/IEEE/DIO1: J3.1 J25.17 RN7.4 RN8.5 U2.8 U5.2
/IEEE/DIO2: J3.2 J25.15 RN7.3 RN8.6 U2.6 U5.3
/IEEE/DIO3: J3.3 J25.13 RN1.4 RN2.5 U2.10 U5.4
/IEEE/DIO4: J3.4 J25.11 RN1.2 RN2.7 U2.4 U5.5
/IEEE/DIO5: J3.A J25.18 RN7.2 RN8.7 U3.8 U5.6
/IEEE/DIO6: J3.B J25.16 RN7.1 RN8.8 U3.6 U5.7
/IEEE/DIO7: J3.C J25.14 RN1.3 RN2.6 U3.10 U5.8
/IEEE/DIO8: J3.D J25.12 RN1.1 RN2.8 U3.2 U5.9
/IEEE/DIO_IN1: RN11.8 U8.2
/IEEE/DIO_IN2: RN11.7 U8.3
/IEEE/DIO_IN3: RN11.6 U8.4
/IEEE/DIO_IN4: RN11.5 U8.5
/IEEE/DIO_IN5: RN12.8 U8.6
/IEEE/DIO_IN6: RN12.7 U8.7
/IEEE/DIO_IN7: RN12.6 U8.8
/IEEE/DIO_IN8: RN12.5 U8.9
/IEEE/DIO_OUT1: U2.9 U8.10
/IEEE/DIO_OUT2: U2.5 U8.11
/IEEE/DIO_OUT3: U2.11 U8.12
/IEEE/DIO_OUT4: U2.3 U8.13
/IEEE/DIO_OUT5: U3.9 U8.14
/IEEE/DIO_OUT6: U3.5 U8.15
/IEEE/DIO_OUT7: U3.11 U8.16
/IEEE/DIO_OUT8: U3.1 U8.17
/IEEE/EOI: J3.5 J4.4 J25.9 J26.17 RN3.2 RN4.7 U4.2 U6.3
/IEEE/EOI_IN: RN13.7 U7.8
/IEEE/EOI_OUT: U4.1 U7.39
/IEEE/IFC: J3.9 J25.5 RN5.4 RN6.5 U4.4
/IEEE/IFC_OUT: U4.3 U7.34 U8.34 U9.34 U19.7
/IEEE/NDAC: J3.8 J25.8 RN3.4 RN4.5 U4.8 U6.4
/IEEE/NDAC_IN: RN13.6 U9.10
/IEEE/NDAC_OUT: U4.9 U8.39
/IEEE/NRFD: J3.7 J25.7 RN3.3 RN4.6 U4.10 U6.6
/IEEE/NRFD_IN: R13.2 U9.16
/IEEE/NRFD_OUT: U4.11 U9.11
/IEEE/SRQ: J3.10 J4.3 J25.6 J26.19 RN5.2 RN6.7 U6.5
/IEEE/SRQ_IN: RN13.5 U8.18
/IO/BA0: U7.36 U8.36 U9.38 U19.3
/IO/BA1: U7.35 U8.35 U9.37 U19.4
/IO/BA2: U9.36 U19.5
/IO/BA3: U9.35 U19.6
/IO/BD0: U7.33 U8.33 U9.33 U18.3
/IO/BD1: U7.32 U8.32 U9.32 U18.4
/IO/BD2: U7.31 U8.31 U9.31 U18.5
/IO/BD3: U7.30 U8.30 U9.30 U18.6
/IO/BD4: U7.29 U8.29 U9.29 U18.7
/IO/BD5: U7.28 U8.28 U9.28 U18.8
/IO/BD6: U7.27 U8.27 U9.27 U18.9
/IO/BD7: U7.26 U8.26 U9.26 U18.10
/IO/BPHI2: U7.25 U8.25 U9.25 U20.6
/IO/BR~{W}: U7.21 U8.21 U9.22 U20.8
/IO/BVERT: J4.9 J9.3 J26.7 U7.18 U9.15 U20.4
/IO/B~{PIA1_CS}: U7.23 U20.7
/IO/B~{PIA2_CS}: U8.23 U20.10
/IO/B~{VIA_CS}: U9.23 U20.9
/IO/DIAG: J4.5 J26.15 R60.2 U7.9
/IO/GRAPHIC: J4.11 J26.3 R54.2 U9.39
/IO/KEY_COL0: J2.20 J15.16 RN9.1 U7.10
/IO/KEY_COL1: J2.19 J15.14 RN9.2 U7.11
/IO/KEY_COL2: J2.18 J15.12 RN9.3 U7.12
/IO/KEY_COL3: J2.17 J15.10 RN9.4 U7.13
/IO/KEY_COL4: J2.16 J15.8 RN10.1 U7.14
/IO/KEY_COL5: J2.15 J15.6 RN10.2 U7.15
/IO/KEY_COL6: J2.14 J15.4 RN10.3 U7.16
/IO/KEY_COL7: J2.13 J15.2 RN10.4 U7.17
/IO/KEY_ROW0: J15.15 U1.15 U7.2
/IO/KEY_ROW1: J15.13 U1.14 U7.3
/IO/KEY_ROW2: J15.11 U1.13 U7.4
/IO/KEY_ROW3: J15.9 U1.12 U7.5
/IO/VIA_CA1: J4.B J26.22 U9.40
/IO/VIA_CB2: J4.M J26.4 R58.2 U9.19
/IO/VIA_PA0: J4.C J26.20 U9.2
/IO/VIA_PA1: J4.D J26.18 U9.3
/IO/VIA_PA2: J4.E J26.16 U9.4
/IO/VIA_PA3: J4.F J26.14 U9.5
/IO/VIA_PA4: J4.H J26.12 U9.6
/IO/VIA_PA5: J4.J J26.10 U9.7
/IO/VIA_PA6: J4.K J26.8 U9.8
/IO/VIA_PA7: J4.L J26.6 U9.9
/Keyboard/R0: J2.12 U1.1
/Keyboard/R1: J2.11 U1.2
/Keyboard/R2: J2.10 U1.3
/Keyboard/R3: J2.9 U1.4
/Keyboard/R4: J2.8 U1.5
/Keyboard/R5: J2.7 U1.6
/Keyboard/R6: J2.6 U1.7
/Keyboard/R7: J2.5 U1.9
/Keyboard/R8: J2.4 U1.10
/Keyboard/R9: J2.3 U1.11
/MAGIC/BHORIZ: J4.10 J9.5 J26.5 U20.5
/MAGIC/BVIDEO: J9.1 J26.21 JP10.1 U20.3
/MAGIC/FPGA/AUDIO: C31.1 J16.3 U21.33
/MAGIC/FPGA/BE: J23.25 U11.36 U21.67
/MAGIC/FPGA/CBSEL0: J21.20 U21.137
/MAGIC/FPGA/CBSEL1: J21.19 U21.138
/MAGIC/FPGA/CBUS0: RN15.3 U21.78
/MAGIC/FPGA/CBUS1: RN15.2 U21.79
/MAGIC/FPGA/CBUS2: RN15.1 U21.80
/MAGIC/FPGA/CDONE: J19.16 R30.2 RN14.4 U21.34
/MAGIC/FPGA/CEC: J16.19 JP7.1 U14.36 U21.4
/MAGIC/FPGA/CSI: R27.1 U21.32
/MAGIC/FPGA/DIAG: J23.15 R55.1 R60.1 U21.53
/MAGIC/FPGA/FPGA_CLK: J21.16 R21.1 U21.132
/MAGIC/FPGA/FPGA_SPI0_TX: R70.2 U21.28
/MAGIC/FPGA/FPGA_SPI1_TX: R68.2 U21.7
/MAGIC/FPGA/FPGA_SPI1_~{READY}: R71.2 U21.16
/MAGIC/FPGA/GRAPHICS: J23.17 R52.1 R54.1 U21.55
/MAGIC/FPGA/HOLD: J19.15
/MAGIC/FPGA/I2C0_SCL: J16.15 JP9.1 R74.2 U21.14
/MAGIC/FPGA/I2C0_SDA: J16.13 JP8.1 R73.2 U21.17
/MAGIC/FPGA/I2C1_SCL: J16.10 R65.2 U14.5 U21.15
/MAGIC/FPGA/I2C1_SDA: J16.8 R64.2 U14.4 U21.18
/MAGIC/FPGA/L12: J16.4 U21.20
/MAGIC/FPGA/L13: J16.6 U21.19
/MAGIC/FPGA/L46: J16.17 U21.6
/MAGIC/FPGA/L53: J21.25 U21.3
/MAGIC/FPGA/L64: J21.26 U21.144
/MAGIC/FPGA/L66: J21.23 U21.142
/MAGIC/FPGA/L75: J21.11 U21.131
/MAGIC/FPGA/N00: J23.4 U21.39
/MAGIC/FPGA/N02: J23.6 U21.41
/MAGIC/FPGA/N04: J23.8 U21.43
/MAGIC/FPGA/N06: J23.10 U21.46
/MAGIC/FPGA/N09: J23.12 U21.48
/MAGIC/FPGA/NSTATUS: D9.1 J19.11 J21.17 U21.136
/MAGIC/FPGA/P00: J23.3 U21.38
/MAGIC/FPGA/P02: J23.5 U21.40
/MAGIC/FPGA/P04: J23.7 U21.42
/MAGIC/FPGA/P06: J23.9 U21.45
/MAGIC/FPGA/P09: J23.11 U21.47
/MAGIC/FPGA/R76: J21.12 U21.124
/MAGIC/FPGA/RDY: J23.21 R40.1 U11.2 U21.60
/MAGIC/FPGA/REF_RES: R34.2 U21.36
/MAGIC/FPGA/S1: J21.15 SW5.8 U21.134
/MAGIC/FPGA/S2: J21.18 SW5.7 U21.135
/MAGIC/FPGA/S3: J21.22 SW5.6 U21.139
/MAGIC/FPGA/S4: J21.21 SW5.5 U21.140
/MAGIC/FPGA/SPI0_RX: J16.11 R70.1 U14.6
/MAGIC/FPGA/SPI0_SCK: J16.7 R19.1 U21.30
/MAGIC/FPGA/SPI0_TX: J16.9 R67.1 U21.29
/MAGIC/FPGA/SPI0_~{CS}: J16.5 J19.12 R63.1 U21.31
/MAGIC/FPGA/SPI1_RX: J16.20 R68.1 R69.2 U14.15
/MAGIC/FPGA/SPI1_SCK: J13.5 J16.16 R22.1 U21.11
/MAGIC/FPGA/SPI1_TX: J13.3 J16.18 R48.1 RN16.3 U21.8
/MAGIC/FPGA/SPI1_~{CS}: J16.14 R51.1 U21.10
/MAGIC/FPGA/SPI1_~{READY}: J16.12 R71.1 U14.13
/MAGIC/FPGA/SWCLK: J19.3 U14.24
/MAGIC/FPGA/SWD: J19.5 U14.25
/MAGIC/FPGA/SYNC: J23.26 U11.7 U21.68
/MAGIC/FPGA/TCK: J19.2 RN14.1 U21.26
/MAGIC/FPGA/TDI: J19.4 RN14.2 U21.27
/MAGIC/FPGA/TDO: J19.6 U21.24
/MAGIC/FPGA/TMS: J19.8 RN14.3 U21.25
/MAGIC/FPGA/UART_RX: J19.7 U14.3
/MAGIC/FPGA/UART_TX: J19.9 U14.2
/MAGIC/FPGA/VIA_CB2: J23.16 R57.1 R58.1 U21.54
/MAGIC/FPGA/~{CRESET}: C74.1 J19.14 R18.2 R33.1 U21.35
/MAGIC/FPGA/~{IRQ}: J23.23 R39.2 U7.37 U7.38 U8.37 U8.38 U9.21 U11.4 U21.65
/MAGIC/FPGA/~{ML}: J23.24 U11.5 U21.66
/MAGIC/FPGA/~{RAM_OE}: J23.18 U12.24 U21.56
/MAGIC/FPGA/~{RAM_WE}: J23.19 U12.29 U21.58
/MAGIC/FPGA/~{SO}: J23.22 U11.38 U21.61
/MAGIC/FPGA/~{SPI_ENA}: J19.13 R24.2 R66.2 U14.26
/MAGIC/FPGA/~{TEST}: RN15.4 U21.74
/MAGIC/FPGA/~{VP}: J23.20 U11.1 U21.59
/MAGIC/HORIZ: J21.8 U20.19 U21.118
/MAGIC/MCU/DVI/CEC: JP7.2 R7.2 R16.1
/MAGIC/MCU/DVI/DVI_CK+: R10.1 U14.28
/MAGIC/MCU/DVI/DVI_CK-: R11.1 U14.27
/MAGIC/MCU/DVI/DVI_D0+: R5.1 U14.30
